# KiCad board demomatrix.kicad_pcb (continued)
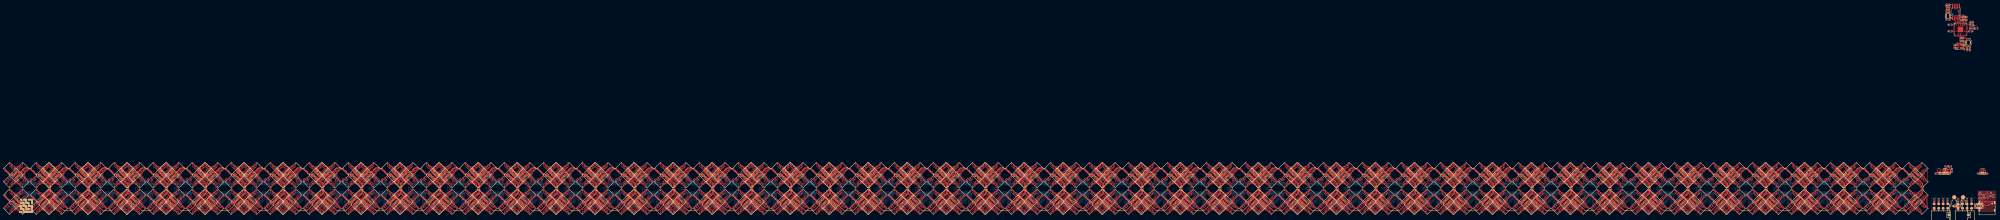
[diagram p0: board, top side]
## Library data of the parts (continued)
LED758 = -: LCSC: C22470444; Manufacturer: HONGLITRONIC); Partnumber: HL-5050RGBW-S1-A27; atopile_address: clusters[47].rows[0].pixels[1].rgbs[1].rgbw.package; atopile_subaddresses: [elec/layout/cluster2x2/cluster2x2.kicad_pcb:rows[0].pixels[1].rgbs[1].rgbw.package, elec/layout/pixel15hl5050/pixel15hl5050.kicad_pcb:rgbs[1].rgbw.package, elec/layout/row2/row2.kicad_pcb:pixels[1].rgbs[1].rgbw.package]
LED759 = -: LCSC: C22470444; Manufacturer: HONGLITRONIC); Partnumber: HL-5050RGBW-S1-A27; atopile_address: clusters[47].rows[0].pixels[1].rgbs[2].rgbw.package; atopile_subaddresses: [elec/layout/cluster2x2/cluster2x2.kicad_pcb:rows[0].pixels[1].rgbs[2].rgbw.package, elec/layout/pixel15hl5050/pixel15hl5050.kicad_pcb:rgbs[2].rgbw.package, elec/layout/row2/row2.kicad_pcb:pixels[1].rgbs[2].rgbw.package]
LED760 = -: LCSC: C22470444; Manufacturer: HONGLITRONIC); Partnumber: HL-5050RGBW-S1-A27; atopile_address: clusters[47].rows[0].pixels[1].rgbs[3].rgbw.package; atopile_subaddresses: [elec/layout/cluster2x2/cluster2x2.kicad_pcb:rows[0].pixels[1].rgbs[3].rgbw.package, elec/layout/pixel15hl5050/pixel15hl5050.kicad_pcb:rgbs[3].rgbw.package, elec/layout/row2/row2.kicad_pcb:pixels[1].rgbs[3].rgbw.package]
LED761 = -: LCSC: C22470444; Manufacturer: HONGLITRONIC); Partnumber: HL-5050RGBW-S1-A27; atopile_address: clusters[47].rows[1].pixels[0].rgbs[0].rgbw.package; atopile_subaddresses: [elec/layout/cluster2x2/cluster2x2.kicad_pcb:rows[1].pixels[0].rgbs[0].rgbw.package, elec/layout/pixel15hl5050/pixel15hl5050.kicad_pcb:rgbs[0].rgbw.package, elec/layout/row2/row2.kicad_pcb:pixels[0].rgbs[0].rgbw.package]
LED762 = -: LCSC: C22470444; Manufacturer: HONGLITRONIC); Partnumber: HL-5050RGBW-S1-A27; atopile_address: clusters[47].rows[1].pixels[0].rgbs[1].rgbw.package; atopile_subaddresses: [elec/layout/cluster2x2/cluster2x2.kicad_pcb:rows[1].pixels[0].rgbs[1].rgbw.package, elec/layout/pixel15hl5050/pixel15hl5050.kicad_pcb:rgbs[1].rgbw.package, elec/layout/row2/row2.kicad_pcb:pixels[0].rgbs[1].rgbw.package]
LED763 = -: LCSC: C22470444; Manufacturer: HONGLITRONIC); Partnumber: HL-5050RGBW-S1-A27; atopile_address: clusters[47].rows[1].pixels[0].rgbs[2].rgbw.package; atopile_subaddresses: [elec/layout/cluster2x2/cluster2x2.kicad_pcb:rows[1].pixels[0].rgbs[2].rgbw.package, elec/layout/pixel15hl5050/pixel15hl5050.kicad_pcb:rgbs[2].rgbw.package, elec/layout/row2/row2.kicad_pcb:pixels[0].rgbs[2].rgbw.package]
LED764 = -: LCSC: C22470444; Manufacturer: HONGLITRONIC); Partnumber: HL-5050RGBW-S1-A27; atopile_address: clusters[47].rows[1].pixels[0].rgbs[3].rgbw.package; atopile_subaddresses: [elec/layout/cluster2x2/cluster2x2.kicad_pcb:rows[1].pixels[0].rgbs[3].rgbw.package, elec/layout/pixel15hl5050/pixel15hl5050.kicad_pcb:rgbs[3].rgbw.package, elec/layout/row2/row2.kicad_pcb:pixels[0].rgbs[3].rgbw.package]
LED765 = -: LCSC: C22470444; Manufacturer: HONGLITRONIC); Partnumber: HL-5050RGBW-S1-A27; atopile_address: clusters[47].rows[1].pixels[1].rgbs[0].rgbw.package; atopile_subaddresses: [elec/layout/cluster2x2/cluster2x2.kicad_pcb:rows[1].pixels[1].rgbs[0].rgbw.package, elec/layout/pixel15hl5050/pixel15hl5050.kicad_pcb:rgbs[0].rgbw.package, elec/layout/row2/row2.kicad_pcb:pixels[1].rgbs[0].rgbw.package]
LED766 = -: LCSC: C22470444; Manufacturer: HONGLITRONIC); Partnumber: HL-5050RGBW-S1-A27; atopile_address: clusters[47].rows[1].pixels[1].rgbs[1].rgbw.package; atopile_subaddresses: [elec/layout/cluster2x2/cluster2x2.kicad_pcb:rows[1].pixels[1].rgbs[1].rgbw.package, elec/layout/pixel15hl5050/pixel15hl5050.kicad_pcb:rgbs[1].rgbw.package, elec/layout/row2/row2.kicad_pcb:pixels[1].rgbs[1].rgbw.package]
LED767 = -: LCSC: C22470444; Manufacturer: HONGLITRONIC); Partnumber: HL-5050RGBW-S1-A27; atopile_address: clusters[47].rows[1].pixels[1].rgbs[2].rgbw.package; atopile_subaddresses: [elec/layout/cluster2x2/cluster2x2.kicad_pcb:rows[1].pixels[1].rgbs[2].rgbw.package, elec/layout/pixel15hl5050/pixel15hl5050.kicad_pcb:rgbs[2].rgbw.package, elec/layout/row2/row2.kicad_pcb:pixels[1].rgbs[2].rgbw.package]
LED768 = -: LCSC: C22470444; Manufacturer: HONGLITRONIC); Partnumber: HL-5050RGBW-S1-A27; atopile_address: clusters[47].rows[1].pixels[1].rgbs[3].rgbw.package; atopile_subaddresses: [elec/layout/cluster2x2/cluster2x2.kicad_pcb:rows[1].pixels[1].rgbs[3].rgbw.package, elec/layout/pixel15hl5050/pixel15hl5050.kicad_pcb:rgbs[3].rgbw.package, elec/layout/row2/row2.kicad_pcb:pixels[1].rgbs[3].rgbw.package]
LED769 = -: LCSC: C22470444; Manufacturer: HONGLITRONIC); Partnumber: HL-5050RGBW-S1-A27; atopile_address: clusters[48].rows[0].pixels[0].rgbs[0].rgbw.package; atopile_subaddresses: [elec/layout/cluster2x2/cluster2x2.kicad_pcb:rows[0].pixels[0].rgbs[0].rgbw.package, elec/layout/pixel15hl5050/pixel15hl5050.kicad_pcb:rgbs[0].rgbw.package, elec/layout/row2/row2.kicad_pcb:pixels[0].rgbs[0].rgbw.package]
LED770 = -: LCSC: C22470444; Manufacturer: HONGLITRONIC); Partnumber: HL-5050RGBW-S1-A27; atopile_address: clusters[48].rows[0].pixels[0].rgbs[1].rgbw.package; atopile_subaddresses: [elec/layout/cluster2x2/cluster2x2.kicad_pcb:rows[0].pixels[0].rgbs[1].rgbw.package, elec/layout/pixel15hl5050/pixel15hl5050.kicad_pcb:rgbs[1].rgbw.package, elec/layout/row2/row2.kicad_pcb:pixels[0].rgbs[1].rgbw.package]
LED771 = -: LCSC: C22470444; Manufacturer: HONGLITRONIC); Partnumber: HL-5050RGBW-S1-A27; atopile_address: clusters[48].rows[0].pixels[0].rgbs[2].rgbw.package; atopile_subaddresses: [elec/layout/cluster2x2/cluster2x2.kicad_pcb:rows[0].pixels[0].rgbs[2].rgbw.package, elec/layout/pixel15hl5050/pixel15hl5050.kicad_pcb:rgbs[2].rgbw.package, elec/layout/row2/row2.kicad_pcb:pixels[0].rgbs[2].rgbw.package]
LED772 = -: LCSC: C22470444; Manufacturer: HONGLITRONIC); Partnumber: HL-5050RGBW-S1-A27; atopile_address: clusters[48].rows[0].pixels[0].rgbs[3].rgbw.package; atopile_subaddresses: [elec/layout/cluster2x2/cluster2x2.kicad_pcb:rows[0].pixels[0].rgbs[3].rgbw.package, elec/layout/pixel15hl5050/pixel15hl5050.kicad_pcb:rgbs[3].rgbw.package, elec/layout/row2/row2.kicad_pcb:pixels[0].rgbs[3].rgbw.package]
LED773 = -: LCSC: C22470444; Manufacturer: HONGLITRONIC); Partnumber: HL-5050RGBW-S1-A27; atopile_address: clusters[48].rows[0].pixels[1].rgbs[0].rgbw.package; atopile_subaddresses: [elec/layout/cluster2x2/cluster2x2.kicad_pcb:rows[0].pixels[1].rgbs[0].rgbw.package, elec/layout/pixel15hl5050/pixel15hl5050.kicad_pcb:rgbs[0].rgbw.package, elec/layout/row2/row2.kicad_pcb:pixels[1].rgbs[0].rgbw.package]
LED774 = -: LCSC: C22470444; Manufacturer: HONGLITRONIC); Partnumber: HL-5050RGBW-S1-A27; atopile_address: clusters[48].rows[0].pixels[1].rgbs[1].rgbw.package; atopile_subaddresses: [elec/layout/cluster2x2/cluster2x2.kicad_pcb:rows[0].pixels[1].rgbs[1].rgbw.package, elec/layout/pixel15hl5050/pixel15hl5050.kicad_pcb:rgbs[1].rgbw.package, elec/layout/row2/row2.kicad_pcb:pixels[1].rgbs[1].rgbw.package]
LED775 = -: LCSC: C22470444; Manufacturer: HONGLITRONIC); Partnumber: HL-5050RGBW-S1-A27; atopile_address: clusters[48].rows[0].pixels[1].rgbs[2].rgbw.package; atopile_subaddresses: [elec/layout/cluster2x2/cluster2x2.kicad_pcb:rows[0].pixels[1].rgbs[2].rgbw.package, elec/layout/pixel15hl5050/pixel15hl5050.kicad_pcb:rgbs[2].rgbw.package, elec/layout/row2/row2.kicad_pcb:pixels[1].rgbs[2].rgbw.package]
LED776 = -: LCSC: C22470444; Manufacturer: HONGLITRONIC); Partnumber: HL-5050RGBW-S1-A27; atopile_address: clusters[48].rows[0].pixels[1].rgbs[3].rgbw.package; atopile_subaddresses: [elec/layout/cluster2x2/cluster2x2.kicad_pcb:rows[0].pixels[1].rgbs[3].rgbw.package, elec/layout/pixel15hl5050/pixel15hl5050.kicad_pcb:rgbs[3].rgbw.package, elec/layout/row2/row2.kicad_pcb:pixels[1].rgbs[3].rgbw.package]
LED777 = -: LCSC: C22470444; Manufacturer: HONGLITRONIC); Partnumber: HL-5050RGBW-S1-A27; atopile_address: clusters[48].rows[1].pixels[0].rgbs[0].rgbw.package; atopile_subaddresses: [elec/layout/cluster2x2/cluster2x2.kicad_pcb:rows[1].pixels[0].rgbs[0].rgbw.package, elec/layout/pixel15hl5050/pixel15hl5050.kicad_pcb:rgbs[0].rgbw.package, elec/layout/row2/row2.kicad_pcb:pixels[0].rgbs[0].rgbw.package]
LED778 = -: LCSC: C22470444; Manufacturer: HONGLITRONIC); Partnumber: HL-5050RGBW-S1-A27; atopile_address: clusters[48].rows[1].pixels[0].rgbs[1].rgbw.package; atopile_subaddresses: [elec/layout/cluster2x2/cluster2x2.kicad_pcb:rows[1].pixels[0].rgbs[1].rgbw.package, elec/layout/pixel15hl5050/pixel15hl5050.kicad_pcb:rgbs[1].rgbw.package, elec/layout/row2/row2.kicad_pcb:pixels[0].rgbs[1].rgbw.package]
LED779 = -: LCSC: C22470444; Manufacturer: HONGLITRONIC); Partnumber: HL-5050RGBW-S1-A27; atopile_address: clusters[48].rows[1].pixels[0].rgbs[2].rgbw.package; atopile_subaddresses: [elec/layout/cluster2x2/cluster2x2.kicad_pcb:rows[1].pixels[0].rgbs[2].rgbw.package, elec/layout/pixel15hl5050/pixel15hl5050.kicad_pcb:rgbs[2].rgbw.package, elec/layout/row2/row2.kicad_pcb:pixels[0].rgbs[2].rgbw.package]
LED780 = -: LCSC: C22470444; Manufacturer: HONGLITRONIC); Partnumber: HL-5050RGBW-S1-A27; atopile_address: clusters[48].rows[1].pixels[0].rgbs[3].rgbw.package; atopile_subaddresses: [elec/layout/cluster2x2/cluster2x2.kicad_pcb:rows[1].pixels[0].rgbs[3].rgbw.package, elec/layout/pixel15hl5050/pixel15hl5050.kicad_pcb:rgbs[3].rgbw.package, elec/layout/row2/row2.kicad_pcb:pixels[0].rgbs[3].rgbw.package]
LED781 = -: LCSC: C22470444; Manufacturer: HONGLITRONIC); Partnumber: HL-5050RGBW-S1-A27; atopile_address: clusters[48].rows[1].pixels[1].rgbs[0].rgbw.package; atopile_subaddresses: [elec/layout/cluster2x2/cluster2x2.kicad_pcb:rows[1].pixels[1].rgbs[0].rgbw.package, elec/layout/pixel15hl5050/pixel15hl5050.kicad_pcb:rgbs[0].rgbw.package, elec/layout/row2/row2.kicad_pcb:pixels[1].rgbs[0].rgbw.package]
LED782 = -: LCSC: C22470444; Manufacturer: HONGLITRONIC); Partnumber: HL-5050RGBW-S1-A27; atopile_address: clusters[48].rows[1].pixels[1].rgbs[1].rgbw.package; atopile_subaddresses: [elec/layout/cluster2x2/cluster2x2.kicad_pcb:rows[1].pixels[1].rgbs[1].rgbw.package, elec/layout/pixel15hl5050/pixel15hl5050.kicad_pcb:rgbs[1].rgbw.package, elec/layout/row2/row2.kicad_pcb:pixels[1].rgbs[1].rgbw.package]
LED783 = -: LCSC: C22470444; Manufacturer: HONGLITRONIC); Partnumber: HL-5050RGBW-S1-A27; atopile_address: clusters[48].rows[1].pixels[1].rgbs[2].rgbw.package; atopile_subaddresses: [elec/layout/cluster2x2/cluster2x2.kicad_pcb:rows[1].pixels[1].rgbs[2].rgbw.package, elec/layout/pixel15hl5050/pixel15hl5050.kicad_pcb:rgbs[2].rgbw.package, elec/layout/row2/row2.kicad_pcb:pixels[1].rgbs[2].rgbw.package]
LED784 = -: LCSC: C22470444; Manufacturer: HONGLITRONIC); Partnumber: HL-5050RGBW-S1-A27; atopile_address: clusters[48].rows[1].pixels[1].rgbs[3].rgbw.package; atopile_subaddresses: [elec/layout/cluster2x2/cluster2x2.kicad_pcb:rows[1].pixels[1].rgbs[3].rgbw.package, elec/layout/pixel15hl5050/pixel15hl5050.kicad_pcb:rgbs[3].rgbw.package, elec/layout/row2/row2.kicad_pcb:pixels[1].rgbs[3].rgbw.package]
LED785 = -: LCSC: C12624; Manufacturer: Hubei KENTO Elec; Partnumber: KT-0603G; atopile_address: led_3v3.led.package; atopile_subaddresses: [.ato/modules/atopile/indicator-leds/layouts/green/green.kicad_pcb:led.package]
LED786 = -: LCSC: C2288; Manufacturer: Hubei KENTO Elec; Partnumber: Blue light 0603; atopile_address: led_5v.led.package; atopile_subaddresses: [.ato/modules/atopile/indicator-leds/layouts/blue/blue.kicad_pcb:led.package]
LED787 = -: LCSC: C2286; Manufacturer: Hubei KENTO Elec; Partnumber: KT-0603R; atopile_address: micro.red_led.led_package; atopile_subaddresses: [.ato/modules/atopile/raspberry-rp2040/layouts/default/default.kicad_pcb:red_led.led_package]
LOGO1 = -: atopile_address: atopile_logo.logo; atopile_subaddresses: [.ato/modules/atopile/logos/layouts/atopile_logo_8x8mm/atopile_logo_8x8mm.kicad_pcb:logo]
R1 = -: Datasheet: https://wmsc.lcsc.com/wmsc/upload/file/pdf/v2/lcsc/2206021130_VO-SCR0402F309R_C3016011.pdf; LCSC: C3016011; Manufacturer: VO; Partnumber: SCR0402F309R; PARAM_max_power: {"type": "Quantity_Set_Discrete", "data": {"intervals": {"type": "Numeric_Interval_Disjoint", "data": {"intervals": [{"type": "Numeric_Interval", "data": {"min": 0.0625, "max": 0.0625}}]}}, "unit": "watt"}}; PARAM_max_voltage: {"type": "Quantity_Set_Discrete", "data": {"intervals": {"type": "Numeric_Interval_Disjoint", "data": {"intervals": [{"type": "Numeric_Interval", "data": {"min": 50.0, "max": 50.0}}]}}, "unit": "volt"}}; PARAM_resistance: {"type": "Quantity_Interval_Disjoint", "data": {"intervals": {"type": "Numeric_Interval_Disjoint", "data": {"intervals": [{"type": "Numeric_Interval", "data": {"min": 305.9100000690669, "max": 312.0899999309331}}]}}, "unit": "ohm"}}; atopile_address: clusters[0].driver.rext_resistor; atopile_subaddresses: [elec/layout/cluster2x2/cluster2x2.kicad_pcb:driver.rext_resistor, elec/src/macroblock-mbi5043/layouts/default/default.kicad_pcb:rext_resistor]
R2 = -: Datasheet: https://wmsc.lcsc.com/wmsc/upload/file/pdf/v2/lcsc/2206021130_VO-SCR0402F309R_C3016011.pdf; LCSC: C3016011; Manufacturer: VO; Partnumber: SCR0402F309R; PARAM_max_power: {"type": "Quantity_Set_Discrete", "data": {"intervals": {"type": "Numeric_Interval_Disjoint", "data": {"intervals": [{"type": "Numeric_Interval", "data": {"min": 0.0625, "max": 0.0625}}]}}, "unit": "watt"}}; PARAM_max_voltage: {"type": "Quantity_Set_Discrete", "data": {"intervals": {"type": "Numeric_Interval_Disjoint", "data": {"intervals": [{"type": "Numeric_Interval", "data": {"min": 50.0, "max": 50.0}}]}}, "unit": "volt"}}; PARAM_resistance: {"type": "Quantity_Interval_Disjoint", "data": {"intervals": {"type": "Numeric_Interval_Disjoint", "data": {"intervals": [{"type": "Numeric_Interval", "data": {"min": 305.9100000690669, "max": 312.0899999309331}}]}}, "unit": "ohm"}}; atopile_address: clusters[1].driver.rext_resistor; atopile_subaddresses: [elec/layout/cluster2x2/cluster2x2.kicad_pcb:driver.rext_resistor, elec/src/macroblock-mbi5043/layouts/default/default.kicad_pcb:rext_resistor]
R3 = -: Datasheet: https://wmsc.lcsc.com/wmsc/upload/file/pdf/v2/lcsc/2206021130_VO-SCR0402F309R_C3016011.pdf; LCSC: C3016011; Manufacturer: VO; Partnumber: SCR0402F309R; PARAM_max_power: {"type": "Quantity_Set_Discrete", "data": {"intervals": {"type": "Numeric_Interval_Disjoint", "data": {"intervals": [{"type": "Numeric_Interval", "data": {"min": 0.0625, "max": 0.0625}}]}}, "unit": "watt"}}; PARAM_max_voltage: {"type": "Quantity_Set_Discrete", "data": {"intervals": {"type": "Numeric_Interval_Disjoint", "data": {"intervals": [{"type": "Numeric_Interval", "data": {"min": 50.0, "max": 50.0}}]}}, "unit": "volt"}}; PARAM_resistance: {"type": "Quantity_Interval_Disjoint", "data": {"intervals": {"type": "Numeric_Interval_Disjoint", "data": {"intervals": [{"type": "Numeric_Interval", "data": {"min": 305.9100000690669, "max": 312.0899999309331}}]}}, "unit": "ohm"}}; atopile_address: clusters[2].driver.rext_resistor; atopile_subaddresses: [elec/layout/cluster2x2/cluster2x2.kicad_pcb:driver.rext_resistor, elec/src/macroblock-mbi5043/layouts/default/default.kicad_pcb:rext_resistor]
R4 = -: Datasheet: https://wmsc.lcsc.com/wmsc/upload/file/pdf/v2/lcsc/2206021130_VO-SCR0402F309R_C3016011.pdf; LCSC: C3016011; Manufacturer: VO; Partnumber: SCR0402F309R; PARAM_max_power: {"type": "Quantity_Set_Discrete", "data": {"intervals": {"type": "Numeric_Interval_Disjoint", "data": {"intervals": [{"type": "Numeric_Interval", "data": {"min": 0.0625, "max": 0.0625}}]}}, "unit": "watt"}}; PARAM_max_voltage: {"type": "Quantity_Set_Discrete", "data": {"intervals": {"type": "Numeric_Interval_Disjoint", "data": {"intervals": [{"type": "Numeric_Interval", "data": {"min": 50.0, "max": 50.0}}]}}, "unit": "volt"}}; PARAM_resistance: {"type": "Quantity_Interval_Disjoint", "data": {"intervals": {"type": "Numeric_Interval_Disjoint", "data": {"intervals": [{"type": "Numeric_Interval", "data": {"min": 305.9100000690669, "max": 312.0899999309331}}]}}, "unit": "ohm"}}; atopile_address: clusters[3].driver.rext_resistor; atopile_subaddresses: [elec/layout/cluster2x2/cluster2x2.kicad_pcb:driver.rext_resistor, elec/src/macroblock-mbi5043/layouts/default/default.kicad_pcb:rext_resistor]
R5 = -: Datasheet: https://wmsc.lcsc.com/wmsc/upload/file/pdf/v2/lcsc/2206021130_VO-SCR0402F309R_C3016011.pdf; LCSC: C3016011; Manufacturer: VO; Partnumber: SCR0402F309R; PARAM_max_power: {"type": "Quantity_Set_Discrete", "data": {"intervals": {"type": "Numeric_Interval_Disjoint", "data": {"intervals": [{"type": "Numeric_Interval", "data": {"min": 0.0625, "max": 0.0625}}]}}, "unit": "watt"}}; PARAM_max_voltage: {"type": "Quantity_Set_Discrete", "data": {"intervals": {"type": "Numeric_Interval_Disjoint", "data": {"intervals": [{"type": "Numeric_Interval", "data": {"min": 50.0, "max": 50.0}}]}}, "unit": "volt"}}; PARAM_resistance: {"type": "Quantity_Interval_Disjoint", "data": {"intervals": {"type": "Numeric_Interval_Disjoint", "data": {"intervals": [{"type": "Numeric_Interval", "data": {"min": 305.9100000690669, "max": 312.0899999309331}}]}}, "unit": "ohm"}}; atopile_address: clusters[4].driver.rext_resistor; atopile_subaddresses: [elec/layout/cluster2x2/cluster2x2.kicad_pcb:driver.rext_resistor, elec/src/macroblock-mbi5043/layouts/default/default.kicad_pcb:rext_resistor]
R6 = -: Datasheet: https://wmsc.lcsc.com/wmsc/upload/file/pdf/v2/lcsc/2206021130_VO-SCR0402F309R_C3016011.pdf; LCSC: C3016011; Manufacturer: VO; Partnumber: SCR0402F309R; PARAM_max_power: {"type": "Quantity_Set_Discrete", "data": {"intervals": {"type": "Numeric_Interval_Disjoint", "data": {"intervals": [{"type": "Numeric_Interval", "data": {"min": 0.0625, "max": 0.0625}}]}}, "unit": "watt"}}; PARAM_max_voltage: {"type": "Quantity_Set_Discrete", "data": {"intervals": {"type": "Numeric_Interval_Disjoint", "data": {"intervals": [{"type": "Numeric_Interval", "data": {"min": 50.0, "max": 50.0}}]}}, "unit": "volt"}}; PARAM_resistance: {"type": "Quantity_Interval_Disjoint", "data": {"intervals": {"type": "Numeric_Interval_Disjoint", "data": {"intervals": [{"type": "Numeric_Interval", "data": {"min": 305.9100000690669, "max": 312.0899999309331}}]}}, "unit": "ohm"}}; atopile_address: clusters[5].driver.rext_resistor; atopile_subaddresses: [elec/layout/cluster2x2/cluster2x2.kicad_pcb:driver.rext_resistor, elec/src/macroblock-mbi5043/layouts/default/default.kicad_pcb:rext_resistor]
R7 = -: Datasheet: https://wmsc.lcsc.com/wmsc/upload/file/pdf/v2/lcsc/2206021130_VO-SCR0402F309R_C3016011.pdf; LCSC: C3016011; Manufacturer: VO; Partnumber: SCR0402F309R; PARAM_max_power: {"type": "Quantity_Set_Discrete", "data": {"intervals": {"type": "Numeric_Interval_Disjoint", "data": {"intervals": [{"type": "Numeric_Interval", "data": {"min": 0.0625, "max": 0.0625}}]}}, "unit": "watt"}}; PARAM_max_voltage: {"type": "Quantity_Set_Discrete", "data": {"intervals": {"type": "Numeric_Interval_Disjoint", "data": {"intervals": [{"type": "Numeric_Interval", "data": {"min": 50.0, "max": 50.0}}]}}, "unit": "volt"}}; PARAM_resistance: {"type": "Quantity_Interval_Disjoint", "data": {"intervals": {"type": "Numeric_Interval_Disjoint", "data": {"intervals": [{"type": "Numeric_Interval", "data": {"min": 305.9100000690669, "max": 312.0899999309331}}]}}, "unit": "ohm"}}; atopile_address: clusters[6].driver.rext_resistor; atopile_subaddresses: [elec/layout/cluster2x2/cluster2x2.kicad_pcb:driver.rext_resistor, elec/src/macroblock-mbi5043/layouts/default/default.kicad_pcb:rext_resistor]
R8 = -: Datasheet: https://wmsc.lcsc.com/wmsc/upload/file/pdf/v2/lcsc/2206021130_VO-SCR0402F309R_C3016011.pdf; LCSC: C3016011; Manufacturer: VO; Partnumber: SCR0402F309R; PARAM_max_power: {"type": "Quantity_Set_Discrete", "data": {"intervals": {"type": "Numeric_Interval_Disjoint", "data": {"intervals": [{"type": "Numeric_Interval", "data": {"min": 0.0625, "max": 0.0625}}]}}, "unit": "watt"}}; PARAM_max_voltage: {"type": "Quantity_Set_Discrete", "data": {"intervals": {"type": "Numeric_Interval_Disjoint", "data": {"intervals": [{"type": "Numeric_Interval", "data": {"min": 50.0, "max": 50.0}}]}}, "unit": "volt"}}; PARAM_resistance: {"type": "Quantity_Interval_Disjoint", "data": {"intervals": {"type": "Numeric_Interval_Disjoint", "data": {"intervals": [{"type": "Numeric_Interval", "data": {"min": 305.9100000690669, "max": 312.0899999309331}}]}}, "unit": "ohm"}}; atopile_address: clusters[7].driver.rext_resistor; atopile_subaddresses: [elec/layout/cluster2x2/cluster2x2.kicad_pcb:driver.rext_resistor, elec/src/macroblock-mbi5043/layouts/default/default.kicad_pcb:rext_resistor]
R9 = -: Datasheet: https://wmsc.lcsc.com/wmsc/upload/file/pdf/v2/lcsc/2206021130_VO-SCR0402F309R_C3016011.pdf; LCSC: C3016011; Manufacturer: VO; Partnumber: SCR0402F309R; PARAM_max_power: {"type": "Quantity_Set_Discrete", "data": {"intervals": {"type": "Numeric_Interval_Disjoint", "data": {"intervals": [{"type": "Numeric_Interval", "data": {"min": 0.0625, "max": 0.0625}}]}}, "unit": "watt"}}; PARAM_max_voltage: {"type": "Quantity_Set_Discrete", "data": {"intervals": {"type": "Numeric_Interval_Disjoint", "data": {"intervals": [{"type": "Numeric_Interval", "data": {"min": 50.0, "max": 50.0}}]}}, "unit": "volt"}}; PARAM_resistance: {"type": "Quantity_Interval_Disjoint", "data": {"intervals": {"type": "Numeric_Interval_Disjoint", "data": {"intervals": [{"type": "Numeric_Interval", "data": {"min": 305.9100000690669, "max": 312.0899999309331}}]}}, "unit": "ohm"}}; atopile_address: clusters[8].driver.rext_resistor; atopile_subaddresses: [elec/layout/cluster2x2/cluster2x2.kicad_pcb:driver.rext_resistor, elec/src/macroblock-mbi5043/layouts/default/default.kicad_pcb:rext_resistor]
R10 = -: Datasheet: https://wmsc.lcsc.com/wmsc/upload/file/pdf/v2/lcsc/2206021130_VO-SCR0402F309R_C3016011.pdf; LCSC: C3016011; Manufacturer: VO; Partnumber: SCR0402F309R; PARAM_max_power: {"type": "Quantity_Set_Discrete", "data": {"intervals": {"type": "Numeric_Interval_Disjoint", "data": {"intervals": [{"type": "Numeric_Interval", "data": {"min": 0.0625, "max": 0.0625}}]}}, "unit": "watt"}}; PARAM_max_voltage: {"type": "Quantity_Set_Discrete", "data": {"intervals": {"type": "Numeric_Interval_Disjoint", "data": {"intervals": [{"type": "Numeric_Interval", "data": {"min": 50.0, "max": 50.0}}]}}, "unit": "volt"}}; PARAM_resistance: {"type": "Quantity_Interval_Disjoint", "data": {"intervals": {"type": "Numeric_Interval_Disjoint", "data": {"intervals": [{"type": "Numeric_Interval", "data": {"min": 305.9100000690669, "max": 312.0899999309331}}]}}, "unit": "ohm"}}; atopile_address: clusters[9].driver.rext_resistor; atopile_subaddresses: [elec/layout/cluster2x2/cluster2x2.kicad_pcb:driver.rext_resistor, elec/src/macroblock-mbi5043/layouts/default/default.kicad_pcb:rext_resistor]
R11 = -: Datasheet: https://wmsc.lcsc.com/wmsc/upload/file/pdf/v2/lcsc/2206021130_VO-SCR0402F309R_C3016011.pdf; LCSC: C3016011; Manufacturer: VO; Partnumber: SCR0402F309R; PARAM_max_power: {"type": "Quantity_Set_Discrete", "data": {"intervals": {"type": "Numeric_Interval_Disjoint", "data": {"intervals": [{"type": "Numeric_Interval", "data": {"min": 0.0625, "max": 0.0625}}]}}, "unit": "watt"}}; PARAM_max_voltage: {"type": "Quantity_Set_Discrete", "data": {"intervals": {"type": "Numeric_Interval_Disjoint", "data": {"intervals": [{"type": "Numeric_Interval", "data": {"min": 50.0, "max": 50.0}}]}}, "unit": "volt"}}; PARAM_resistance: {"type": "Quantity_Interval_Disjoint", "data": {"intervals": {"type": "Numeric_Interval_Disjoint", "data": {"intervals": [{"type": "Numeric_Interval", "data": {"min": 305.9100000690669, "max": 312.0899999309331}}]}}, "unit": "ohm"}}; atopile_address: clusters[10].driver.rext_resistor; atopile_subaddresses: [elec/layout/cluster2x2/cluster2x2.kicad_pcb:driver.rext_resistor, elec/src/macroblock-mbi5043/layouts/default/default.kicad_pcb:rext_resistor]
R12 = -: Datasheet: https://wmsc.lcsc.com/wmsc/upload/file/pdf/v2/lcsc/2206021130_VO-SCR0402F309R_C3016011.pdf; LCSC: C3016011; Manufacturer: VO; Partnumber: SCR0402F309R; PARAM_max_power: {"type": "Quantity_Set_Discrete", "data": {"intervals": {"type": "Numeric_Interval_Disjoint", "data": {"intervals": [{"type": "Numeric_Interval", "data": {"min": 0.0625, "max": 0.0625}}]}}, "unit": "watt"}}; PARAM_max_voltage: {"type": "Quantity_Set_Discrete", "data": {"intervals": {"type": "Numeric_Interval_Disjoint", "data": {"intervals": [{"type": "Numeric_Interval", "data": {"min": 50.0, "max": 50.0}}]}}, "unit": "volt"}}; PARAM_resistance: {"type": "Quantity_Interval_Disjoint", "data": {"intervals": {"type": "Numeric_Interval_Disjoint", "data": {"intervals": [{"type": "Numeric_Interval", "data": {"min": 305.9100000690669, "max": 312.0899999309331}}]}}, "unit": "ohm"}}; atopile_address: clusters[11].driver.rext_resistor; atopile_subaddresses: [elec/layout/cluster2x2/cluster2x2.kicad_pcb:driver.rext_resistor, elec/src/macroblock-mbi5043/layouts/default/default.kicad_pcb:rext_resistor]
